# Altium PCB MiroCard.PcbDoc (part 1 of 2)
Units mm, origin at the board's own origin, x right, y up, seen from the top; angles counter-clockwise.
Board outline 65.5 x 35.8 mm, 4 copper layers (Top Layer, GND1, GND2, Bottom Layer), stack 0.552 mm thick; 115 components, 75 nets, 402 pads, 778 vias.
Unrouted connection lines stored in the file: 3.
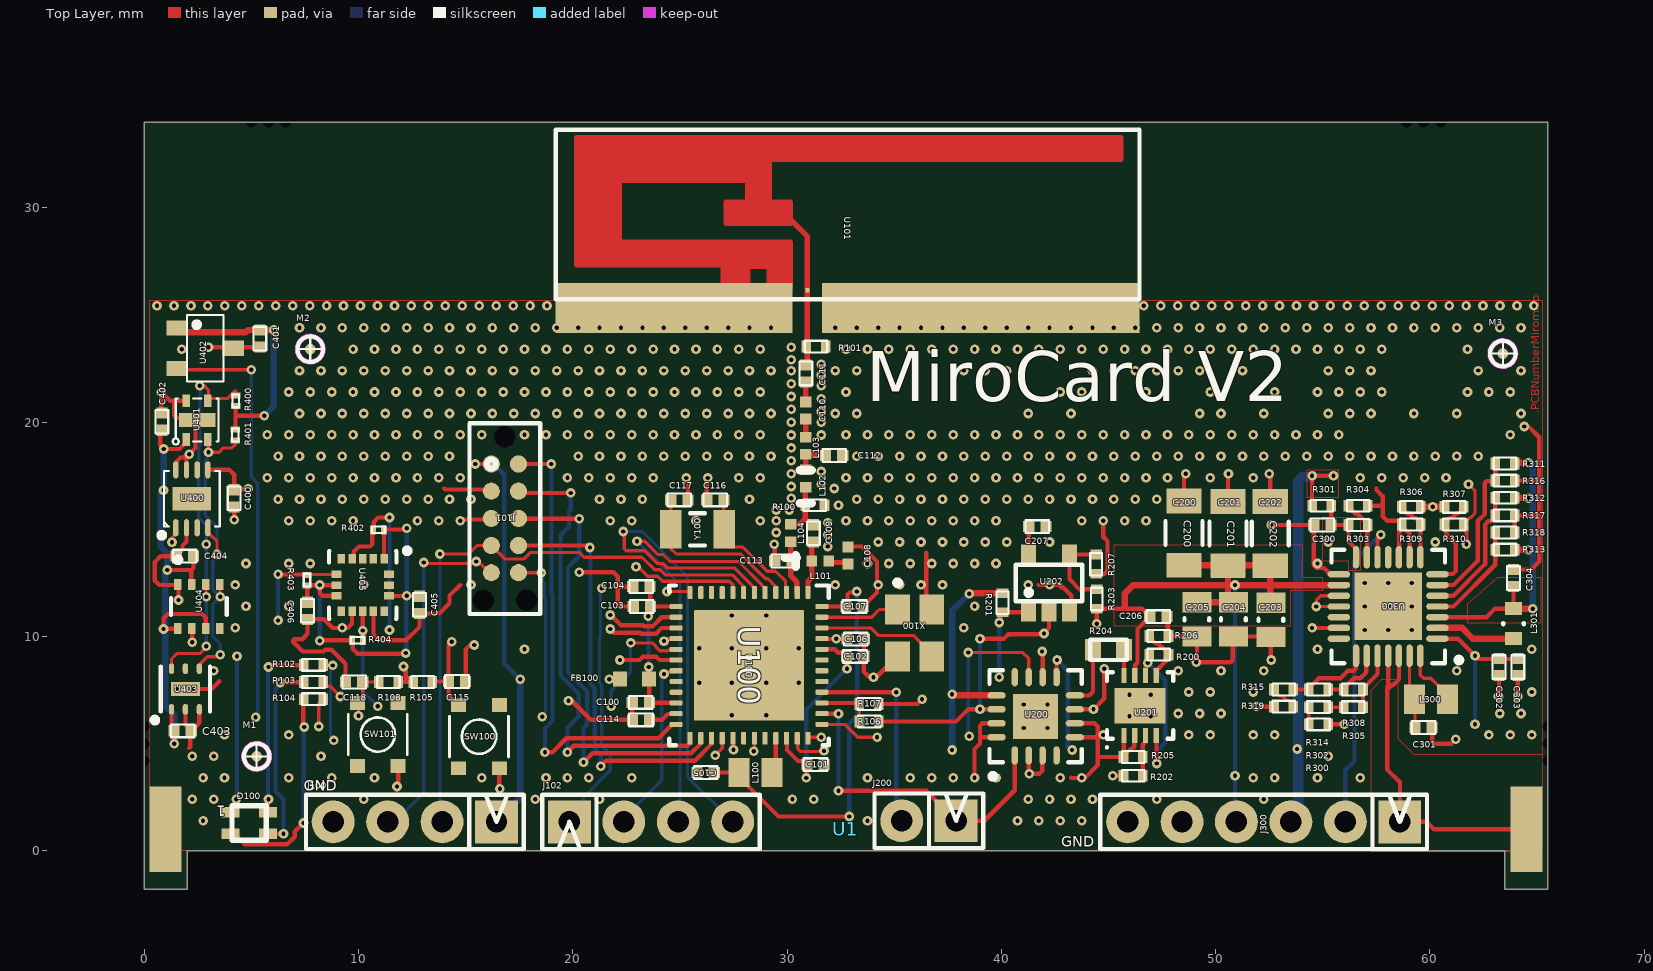
[diagram p0: Top Layer view]
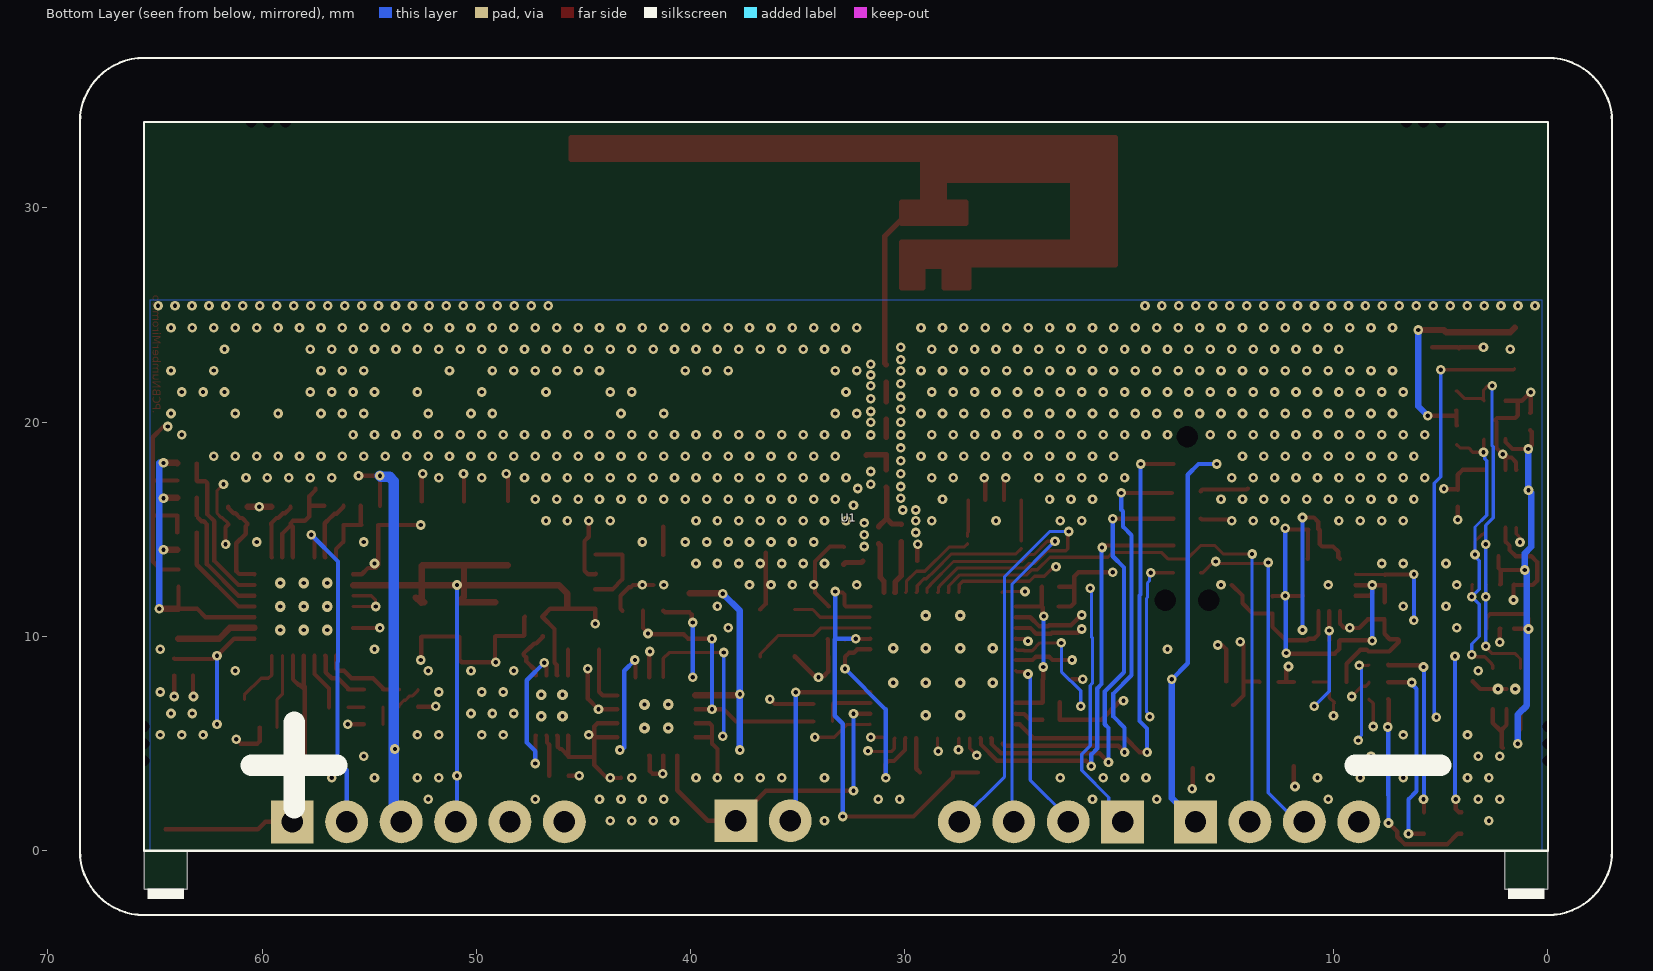
[diagram p1: Bottom Layer view, seen from below]
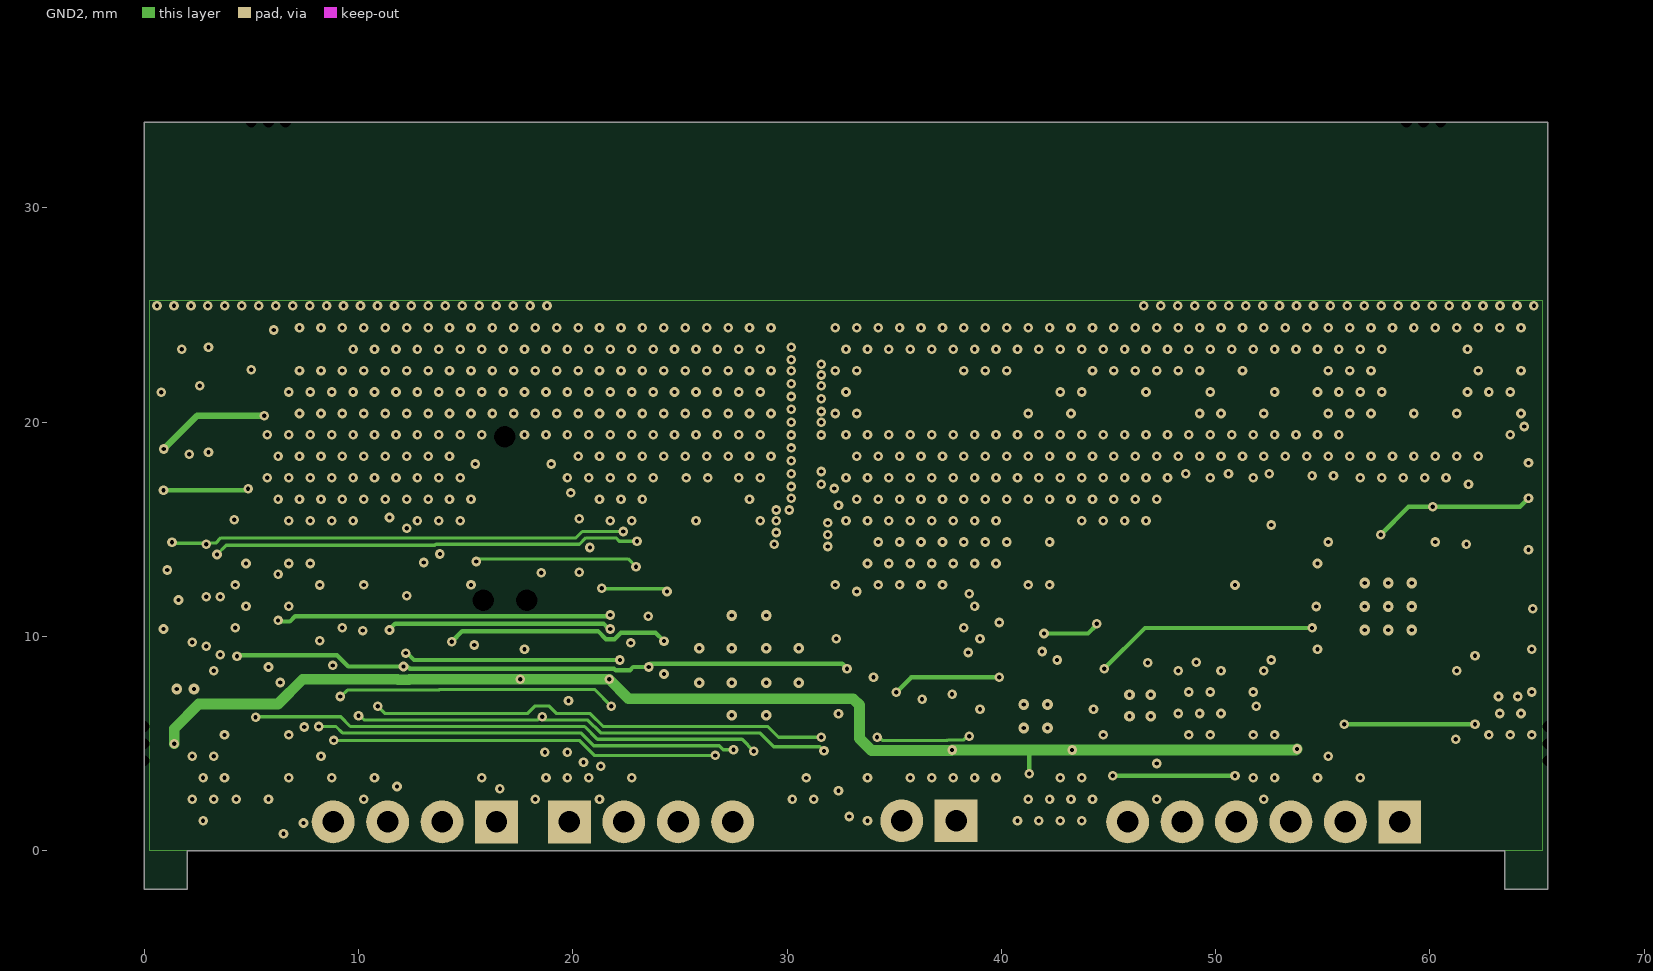
[diagram p2: GND2]

## Layer stack, top to bottom
Top Solder: solder mask 0.01, Solder Resist, Dk 3.5
Top Layer: signal copper 0.018
Dielectric 1: prepreg 0.07, 1080, Dk 4.6
Dielectric 2: prepreg 0.07, 1080, Dk 4.6
GND1: signal copper 0.018
Core: core 0.2, 1080, Dk 4.6
GND2: signal copper 0.018
Dielectric 3: prepreg 0.07, 1080, Dk 4.6
Dielectric 4: prepreg 0.07, 1080, Dk 4.6
Bottom Layer: signal copper 0.018
Bottom Solder: solder mask 0.01, Solder Resist, Dk 3.5

## Board outline
0,-1.8 0,34 65.5,34 65.5,-1.8 63.5,-1.8 63.5,0 2,0 2,-1.8

## Design rules (kind name [scope] priority, off if disabled: settings)
AssemblyTestPointUsage [All] p0: scope1count=1 scope1_0_kind=Board scope1_0_value=Board scope2count=1 scope2_0_kind=Board scope2_0_value=Board commentlength=0
AssemblyTestpoint [All] p0: scope1count=1 scope1_0_kind=Board scope1_0_value=Board scope2count=1 scope2_0_kind=Board scope2_0_value=Board commentlength=0
BoardOutlineClearance BoardOutlineClearance_Seperator [All] p0: scope1count=1 scope1_0_kind=Board scope1_0_value=Board scope2count=1 scope2_0_kind=Board scope2_0_value=Board commentlength=0 gap=0
BoardOutlineClearance [All] p0 off: scope1count=1 scope1_0_kind=Board scope1_0_value=Board scope2count=1 scope2_0_kind=Board scope2_0_value=Board commentlength=100 gap=0.2 // Protel DXP Scope 1 Expression Was: Not OnLayer('Top Overlay', 'Bottom Overlay', 'Mechanical 15')
BoardOutlineClearance BoardOutlineClearance_Seperator [All] p1: gap=0 ignorepadtopadclearanceinfootprint=FALSE
BoardOutlineClearance [Not OnLayer('Top Overlay', 'Bottom Overlay', 'Mechanical 15')] p2: gap=0.2 ignorepadtopadclearanceinfootprint=FALSE
Clearance [All] p0: scope1count=1 scope1_0_kind=Board scope1_0_value=Board scope2count=1 scope2_0_kind=Board scope2_0_value=Board commentlength=0 gap=0.15
Clearance [All] p1: gap=0.15 ignorepadtopadclearanceinfootprint=FALSE
ComponentClearance [All] p0 off: scope1count=1 scope1_0_kind=Board scope1_0_value=Board scope2count=1 scope2_0_kind=Board scope2_0_value=Board commentlength=90 gap=0.25 collisioncheckmode=3 // Protel DXP Scope 1 Expression Was: Not InComponent('U1','J100','J102', 'J200', 'J300')
ComponentClearance [Not InComponent('U1','J100','J102', 'J200', 'J300')] p1: gap=0.25 collisioncheckmode=3 verticalgap=0.25 showdistances=FALSE
DiffPairsRouting [All] p0: scope1count=1 scope1_0_kind=Board scope1_0_value=Board scope2count=1 scope2_0_kind=Board scope2_0_value=Board commentlength=0
FabricationTestPointUsage [All] p0: scope1count=1 scope1_0_kind=Board scope1_0_value=Board scope2count=1 scope2_0_kind=Board scope2_0_value=Board commentlength=0 valid=0 allowmultiple=FALSE
FabricationTestpoint [All] p0: scope1count=1 scope1_0_kind=Board scope1_0_value=Board scope2count=1 scope2_0_kind=Board scope2_0_value=Board commentlength=0 side=3 testpointundercomponent=TRUE minsize=1.016 maxsize=2.54 preferedsize=1.524 minholesize=0 maxholesize=1.016 preferedholesize=0.813 testpointgrid=0.025
FanoutControl Fanout_BGA [All] p0 off: scope1count=1 scope1_0_kind=Board scope1_0_value=Board scope2count=1 scope2_0_kind=Board scope2_0_value=Board commentlength=69 // Protel DXP Scope 1 Expression Was: IsBGA   Fanout_BGA (Default Rule)
FanoutControl Fanout_LCC [All] p0 off: scope1count=1 scope1_0_kind=Board scope1_0_value=Board scope2count=1 scope2_0_kind=Board scope2_0_value=Board commentlength=69 // Protel DXP Scope 1 Expression Was: IsLCC   Fanout_LCC (Default Rule)
FanoutControl Fanout_SOIC [All] p0 off: scope1count=1 scope1_0_kind=Board scope1_0_value=Board scope2count=1 scope2_0_kind=Board scope2_0_value=Board commentlength=71 // Protel DXP Scope 1 Expression Was: IsSOIC   Fanout_SOIC (Default Rule)
FanoutControl Fanout_Small [All] p0 off: scope1count=1 scope1_0_kind=Board scope1_0_value=Board scope2count=1 scope2_0_kind=Board scope2_0_value=Board commentlength=84 // Protel DXP Scope 1 Expression Was: (CompPinCount < 5)   Fanout_Small (Default Rule)
FanoutControl Fanout_Default [All] p0: scope1count=1 scope1_0_kind=Board scope1_0_value=Board scope2count=1 scope2_0_kind=Board scope2_0_value=Board commentlength=30 // Fanout_Default (Default Rule)
Height [All] p0: scope1count=1 scope1_0_kind=Board scope1_0_value=Board scope2count=1 scope2_0_kind=Board scope2_0_value=Board commentlength=0
HoleSize [All] p0: scope1count=1 scope1_0_kind=Board scope1_0_value=Board scope2count=1 scope2_0_kind=Board scope2_0_value=Board commentlength=0 absolutevalues=TRUE maxlimit=5 minlimit=0.025 maxpercent=80.000 minpercent=20.000
HoleSize [All] p1: absolutevalues=TRUE maxlimit=5 minlimit=0.025 maxpercent=80.000 minpercent=20.000
HoleToHoleClearance [All] p0: scope1count=1 scope1_0_kind=Board scope1_0_value=Board scope2count=1 scope2_0_kind=Board scope2_0_value=Board commentlength=0
LayerPairs [All] p0: scope1count=1 scope1_0_kind=Board scope1_0_value=Board scope2count=1 scope2_0_kind=Board scope2_0_value=Board commentlength=0 enforce=TRUE
MinimumSolderMaskSliver [All] p0: scope1count=1 scope1_0_kind=Board scope1_0_value=Board scope2count=1 scope2_0_kind=Board scope2_0_value=Board commentlength=0
MinimumSolderMaskSliver [All] p1: minsoldermaskwidth=0.09
NetAntennae [All] p0: scope1count=1 scope1_0_kind=Board scope1_0_value=Board scope2count=1 scope2_0_kind=Board scope2_0_value=Board commentlength=0
PasteMaskExpansion [All] p0: scope1count=1 scope1_0_kind=Board scope1_0_value=Board scope2count=1 scope2_0_kind=Board scope2_0_value=Board commentlength=0 expansion=0
PlaneClearance [All] p0: scope1count=1 scope1_0_kind=Board scope1_0_value=Board scope2count=1 scope2_0_kind=Board scope2_0_value=Board commentlength=0 clearance=0.25
PlaneClearance [All] p1: clearance=0.25
PlaneConnect PlaneConnect_1 [All] p0 off: scope1count=1 scope1_0_kind=Board scope1_0_value=Board scope2count=1 scope2_0_kind=Board scope2_0_value=Board commentlength=44 planeconnectstyle=Direct reliefexpansion=0.508 reliefentries=4 reliefconductorwidth=0.254 reliefairgap=0.254 // Protel DXP Scope 1 Expression Was: IsVia
PlaneConnect [All] p0: scope1count=1 scope1_0_kind=Board scope1_0_value=Board scope2count=1 scope2_0_kind=Board scope2_0_value=Board commentlength=0 planeconnectstyle=Relief reliefexpansion=0.254 reliefentries=4 reliefconductorwidth=0.254 reliefairgap=0.254
PlaneConnect PlaneConnect_1 [IsVia] p1: planeconnectstyle=Direct reliefexpansion=0.508 reliefentries=4 reliefconductorwidth=0.254 reliefairgap=0.254
PlaneConnect [All] p2: planeconnectstyle=Relief reliefexpansion=0.254 reliefentries=4 reliefconductorwidth=0.254 reliefairgap=0.254
PolygonConnect PolygonConnect_VIA [All] p0 off: scope1count=1 scope1_0_kind=Board scope1_0_value=Board scope2count=1 scope2_0_kind=Board scope2_0_value=Board commentlength=44 connectstyle=Direct reliefconductorwidth=0.254 reliefentries=4 polygonreliefangle="90 Angle" // Protel DXP Scope 1 Expression Was: IsVia
PolygonConnect [All] p0: scope1count=1 scope1_0_kind=Board scope1_0_value=Board scope2count=1 scope2_0_kind=Board scope2_0_value=Board commentlength=0 connectstyle=Relief reliefconductorwidth=0.2 reliefentries=4 polygonreliefangle="90 Angle"
PolygonConnect PolygonConnect_VIA [IsVia] p1: connectstyle=Direct reliefconductorwidth=0.254 reliefentries=4 polygonreliefangle="90 Angle" airgapwidth=0.254
PolygonConnect [All] p2: connectstyle=Relief reliefconductorwidth=0.2 reliefentries=4 polygonreliefangle="90 Angle" airgapwidth=0.2
RoutingCorners [All] p0: scope1count=1 scope1_0_kind=Board scope1_0_value=Board scope2count=1 scope2_0_kind=Board scope2_0_value=Board commentlength=0 cornerstyle=45-Degree minsetback=2.54 maxsetback=2.54
RoutingLayers [All] p0: scope1count=1 scope1_0_kind=Board scope1_0_value=Board scope2count=1 scope2_0_kind=Board scope2_0_value=Board commentlength=0 top layer=Automatic mid layer 1=Automatic mid layer 2=Automatic bottom layer=Automatic
RoutingPriority [All] p0: scope1count=1 scope1_0_kind=Board scope1_0_value=Board scope2count=1 scope2_0_kind=Board scope2_0_value=Board commentlength=0
RoutingTopology [All] p0: scope1count=1 scope1_0_kind=Board scope1_0_value=Board scope2count=1 scope2_0_kind=Board scope2_0_value=Board commentlength=0 topology=Shortest
RoutingVias [All] p0: scope1count=1 scope1_0_kind=Board scope1_0_value=Board scope2count=1 scope2_0_kind=Board scope2_0_value=Board commentlength=0 holewidth=0.2 width=0.45 viastyle="Through Hole" minholewidth=0.2 minwidth=0.45 maxholewidth=0.2 maxwidth=1
RoutingVias [All] p1: holewidth=0.2 width=0.45 viastyle="Through Hole" minholewidth=0.2 minwidth=0.45 maxholewidth=0.2 maxwidth=1
ShortCircuit [All] p0: scope1count=1 scope1_0_kind=Board scope1_0_value=Board scope2count=1 scope2_0_kind=Board scope2_0_value=Board commentlength=0 allowed=FALSE
SilkToBoardRegionClearance [All] p0: scope1count=1 scope1_0_kind=Board scope1_0_value=Board scope2count=1 scope2_0_kind=Board scope2_0_value=Board commentlength=0
SilkToSilkClearance [All] p0: scope1count=1 scope1_0_kind=Board scope1_0_value=Board scope2count=1 scope2_0_kind=Board scope2_0_value=Board commentlength=0
SilkToSilkClearance [All] p1: silktosilkclearance=0
SilkToSolderMaskClearance [All] p0: scope1count=1 scope1_0_kind=Board scope1_0_value=Board scope2count=1 scope2_0_kind=Board scope2_0_value=Board commentlength=0
SilkToSolderMaskClearance [All] p1: minsilkscreentomaskgap=0 clearancetoexposedcopper=TRUE
SolderMaskExpansion [All] p0: scope1count=1 scope1_0_kind=Board scope1_0_value=Board scope2count=1 scope2_0_kind=Board scope2_0_value=Board commentlength=0 expansion=0.051
SolderMaskExpansion [All] p1: expansion=0.051
UnRoutedNet [All] p0: scope1count=1 scope1_0_kind=Board scope1_0_value=Board scope2count=1 scope2_0_kind=Board scope2_0_value=Board commentlength=0
UnpouredPolygon [All] p0: scope1count=1 scope1_0_kind=Board scope1_0_value=Board scope2count=1 scope2_0_kind=Board scope2_0_value=Board commentlength=0
Width Width_ANT [All] p0: scope1count=1 scope1_0_kind=NetClass scope1_0_value=ANT scope2count=1 scope2_0_kind=Board scope2_0_value=Board commentlength=0 maxlimit=0.25 minlimit=0.25 preferedwidth=0.25
Width [All] p0: scope1count=1 scope1_0_kind=Board scope1_0_value=Board scope2count=1 scope2_0_kind=Board scope2_0_value=Board commentlength=0 maxlimit=1 minlimit=0.15 preferedwidth=0.15
Width Width_ANT [InNetClass('ANT')] p1: maxlimit=0.25 minlimit=0.25 preferedwidth=0.25
Width [All] p2: maxlimit=1 minlimit=0.15 preferedwidth=0.15
23 further rules are at their usual default settings.

## Classes and differential pairs
pad class Seperator: Free-0
component class "00 - Overview": M1 M2 M3 U1
component class U_AEM10941: C300 C301 C302 C303 C304 J300 L300 L301 R300 R301 R302 R303 R304 R305 R306 R307 R308 R309 R310 R311 R312 R313 R314 R315 R316 R317 R318 R319 U300
net class Ant: NetC108_1 NetC109_1 NetC109_2 NetC110_1 NetC110_2 NetC111_1 NetC112_1 NetC113_1
component class Sensors: C400 C401 C402 C403 C404 C405 C406 I2C R400 R401 R402 R403 R404 U400 U401 U402 U403 U404 U405
component class EMU: C200 C201 C202 C203 C204 C205 C206 C207 J200 R200 R201 R202 R203 R204 R205 R206 R207 U200 U201 U202
component class CC2650: C100 C101 C102 C103 C104 C105 C106 C107 C108 C109 C110 C111 C112 C113 C114 C115 C116 C117 C118 D100 FB100 J100 J101 J102 L100 L101 L102 L103 L104 "P5 JTAG" R100 R101 R102 R103 R104 R105 R106 R107 R108 SW100 SW101 U100 U101 X100 Y100

## Components (designator, comment, footprint, x,y, rotation, side; value= is the part's Value field where it differs from the comment)
C100 "GRM155R61C104KA88D" CAPC0402(1005)60_L 23.175,6.925 r180 top
C101 "GRM155R61C104KA88D" CAPC0402(1005)60_L 31.325,4.025 r0 top
C102 "GRM155R61C104KA88D" CAPC0402(1005)60_L 33.175,9.075 r0 top
C103 "GRM155R61C104KA88D" CAPC0402(1005)60_L 23.225,11.4 r180 top
C104 "GRJ155R60J106ME11D" CAPC0402(1005)60_L 23.2,12.325 r180 top
C105 "GRJ155R60J106ME11D" CAPC0402(1005)60_L 26.2,3.65 r180 top
C106 "GRM155R61C104KA88D" CAPC0402(1005)60_L 33.2,9.875 r0 top
C107 "GRM155R61C104KA88D" CAPC0402(1005)60_L 33.15,11.4 r0 top
C108 "CAP 6.8pF 10V 0402(1005)" CAPC0402(1005)60_L 32.85,13.775 r90 top
C109 "GRM1555C1H1R0BA01D" CAPC0402(1005)60_L 31.225,14.815 r270 top
C110 "CAP 12pF 10V 0402(1005)" CAPC0402(1005)60_L 30.875,20.55 r90 top
C111 "GRM1555C1H1R8BA01D" CAPC0402(1005)60_L 30.875,22.275 r270 top
C112 "GRM1555C1H1R0BA01D" CAPC0402(1005)60_L 32.2,18.45 r0 top
C113 "GRM1555C1H1R0BA01D" CAPC0402(1005)60_L 29.825,13.525 r180 top
C114 "GRM155R70J105KA12J" CAPC0402(1005)60_L 23.181,6.109 r180 top
C115 "GRM155R61C104KA88D" CAPC0402(1005)60_L 14.6,7.9 r0 top
C116 "GRM1555C1H120JA01D" CAPC0402(1005)60_L 26.65,16.375 r180 top
C117 "GRM1555C1H120JA01D" CAPC0402(1005)60_L 24.975,16.375 r0 top
C118 "GRM155R61C104KA88D" CAPC0402(1005)60_L 9.8,7.875 r180 top
C200 "CAP 100uF 10V 1206(3216)" CAPC1206(3216)145_N 48.525,14.825 r270 top
C201 "CAP 100uF 10V 1206(3216)" CAPC1206(3216)145_N 50.575,14.8 r270 top
C202 "CAP 100uF 10V 1206(3216)" CAPC1206(3216)145_N 52.55,14.8 r270 top
C203 "CAP 47uF 6.3V 0805(2012)" CAPC0805(2012)95_L 52.575,10.775 r270 top
C204 "CAP 47uF 6.3V 0805(2012)" CAPC0805(2012)95_L 50.825,10.8 r270 top
C205 "CAP 47uF 6.3V 0805(2012)" CAPC0805(2012)95_L 49.125,10.8 r270 top
C206 "GRM155R61C104KA88D" CAPC0402(1005)60_L 47.325,10.925 r0 top
C207 "GRM155R70J105KA12J" CAPC0402(1005)60_L 41.675,15.125 r0 top
C300 "GRJ155R60J106ME11D" CAPC0402(1005)60_L 54.975,15.2 r180 top
C301 "GRJ155R60J106ME11D" CAPC0402(1005)60_L 59.7,5.75 r0 top
C302 "GRJ155R60J106ME11D" CAPC0402(1005)60_L 63.225,8.575 r270 top
C303 "GRJ155R60J106ME11D" CAPC0402(1005)60_L 64.1,8.575 r270 top
C304 "GRJ155R60J106ME11D" CAPC0402(1005)60_L 63.9,12.725 r90 top
C400 "GRM155R71E104KE14J" CAPC0402(1005)60_L 4.2,16.45 r270 top
C401 "GRM155R61C104KA88D" CAPC0402(1005)60_L 5.4,23.9 r270 top
C402 "GRM155R71E104KE14J" CAPC0402(1005)60_L 0.825,20.025 r90 top
C403 "GRM155R71E104KE14J" CAPC0402(1005)60_L 1.8,5.6 r0 top
C404 "GRM155R71E104KE14J" CAPC0402(1005)60_L 1.9,13.75 r180 top
C405 "GRM155R71E104KE14J" CAPC0402(1005)60_L 12.85,11.475 r270 top
C406 "GRJ155R60J106ME11D" CAPC0402(1005)60_L 7.625,11.2 r270 top
D100 "APTF1616LSEEZGKQBKC" APTF1616LSEEZGKQBKC 4.9,1.3 r180 top
FB100 "BLM18HE152SN1D" MURA-BLM18-RF-H4-CHIP-2_V 22.881,8.009 r0 top
J100 "HDR1x4" HDR1x4 12.63,1.35 r180 top
J101 "TC2050-IDC" TC2050-IDC-NL-10 16.834,15.51 r270 top
J102 "HDR1x4" HDR1x4 23.65,1.35 r0 top
J200 "HDR1x2" HDR1x2 36.62,1.4 r180 top
J300 "HDR1x6" HDR1x6 52.24,1.35 r180 top
L100 "CKS2125100M-T" INDC0805(2012)X11_L 28.525,3.65 r180 top
L101 "LQG15HS2N4S02D" INDC1005X55X25LL05T10_A 31.55,13.525 r0 top
L102 "LQG15HS2N4S02D" INDC1005X55X25LL05T10_A 30.875,17.375 r90 top
L103 "LQG15HS2N4S02D" INDC1005X55X25LL05T10_A 30.875,18.9 r90 top
L104 "LQG15HS2N4S02D" INDC1005X55X25LL05T10_A 30.175,14.825 r90 top
L300 "CKS2125100M-T" INDC0805(2012)X11_L 60.05,7.075 r180 top
L301 "MLZ1608M100WT000" FP-MLZ1608-MFG 63.9,10.6 r90 top
M1 "Fiducial Round" "Fiducial round_small" 5.25,4.407 r0 top
M2 "Fiducial Round" "Fiducial round_small" 7.75,23.407 r0 top
M3 "Fiducial Round" "Fiducial round_small" 63.4,23.2 r0 top
R100 "CRCW04021R60FKED" RESC0402(1005)_L 31.3,16.125 r0 top
R101 "CRCW04021R60FKED" RESC0402(1005)_L 31.35,23.525 r0 top
R102 "RMCF0402FT300R" RESC0402(1005)_L 7.9,8.675 r0 top
R103 "RMCF0402FT300R" RESC0402(1005)_L 7.9,7.875 r0 top
R104 "RMCF0402FT300R" RESC0402(1005)_L 7.9,7.075 r0 top
R105 "RMCF0402FT100K" RESC0402(1005)_L 13,7.875 r0 top
R106 "RMCF0402FT1M00" RESC0402(1005)_L 33.831,6.034 r0 top
R107 "RMCF0402FT1M00" RESC0402(1005)_L 33.823,6.85 r0 top
R108 "RMCF0402FT100K" RESC0402(1005)_L 11.4,7.875 r180 top
R200 "PFR05S-153-FNH" RESC0402(1005)_L 47.35,9.15 r0 top
R201 "RMCF0402FT100K" RESC0402(1005)_L 40.05,11.575 r270 top
R202 "CRCW04023M16FKED" RESC0402(1005)_L 46.15,3.5 r0 top
R203 "RMCF0402FT100K" RESC0402(1005)_L 44.45,11.75 r90 top
R204 "RMCF0603ZT0R00" RESC0603(1608)_L 45,9.375 r0 top
R205 "RMCF0402FT1M18" RESC0402(1005)_L 46.15,4.375 r180 top
R206 "RMCF0402FT2M40" RESC0402(1005)_L 47.35,10.025 r0 top
R207 "RMCF0402FT100K" RESC0402(1005)_L 44.425,13.375 r270 top
R300 "10M" RESC0402(1005)_L 54.8,5.9 r180 top
R301 "RMCF0402ZT0R00" RESC0402(1005)_L 54.95,16.1 r0 top
R302 "10M" RESC0402(1005)_L 54.8,6.7 r0 top
R303 "CRCW04025M49FKED" RESC0402(1005)_L 56.65,15.2 r0 top
R304 "CRCW04024M42FKED" RESC0402(1005)_L 56.65,16.1 r0 top
R305 "10M" RESC0402(1005)_L 56.425,6.7 r0 top
R306 "RMCF0402ZT0R00" RESC0402(1005)_L 59.125,16.05 r180 top
R307 "RMCF0402ZT0R00" RESC0402(1005)_L 61.125,16.05 r0 top
R308 "1M6" RESC0402(1005)_L 56.425,7.525 r180 top
R309 "RMCF0402ZT0R00" RESC0402(1005)_L 59.125,15.225 r180 top
R310 "RMCF0402ZT0R00" RESC0402(1005)_L 61.125,15.225 r0 top
R311 "RMCF0402ZT0R00" RESC0402(1005)_L 63.5,18.075 r180 top
R312 "RMCF0402ZT0R00" RESC0402(1005)_L 63.5,16.475 r180 top
R313 "RMCF0402ZT0R00" RESC0402(1005)_L 63.5,14.05 r180 top
R314 "8M2" RESC0402(1005)_L 54.797,7.525 r180 top
R315 "1M" RESC0402(1005)_L 53.175,7.525 r180 top
R316 "RMCF0402ZT0R00" RESC0402(1005)_L 63.5,17.275 r0 top
R317 "RMCF0402ZT0R00" RESC0402(1005)_L 63.5,15.65 r0 top
R318 "RMCF0402ZT0R00" RESC0402(1005)_L 63.5,14.85 r0 top
R319 "10M" RESC0402(1005)_L 53.175,6.725 r180 top
R400 "AC0402FR-0710KL" RESC0201(0603)_L 4.275,21 r90 top
R401 "AC0402FR-0710KL" RESC0201(0603)_L 4.25,19.4 r270 top
R402 "AC0402FR-0710KL" RESC0201(0603)_L 10.925,14.975 r180 top
R403 "AC0402FR-0710KL" RESC0201(0603)_L 7.6,12.625 r90 top
R404 "AC0402FR-0710KL" RESC0201(0603)_L 9.95,9.825 r0 top
SW100 "KMT021NGJLHS" KMT021NGJLHS-Footprint-1 15.625,5.325 r90 top
SW101 "KMT021NGJLHS" KMT021NGJLHS-Footprint-1 10.9,5.425 r90 top
U1 "LEH3_50x30_6_10" "50x30 Flat 6 Cell - Gen 2-Footprint-1" 64.5,1 r180 bottom locked
U100 "CC2650F128RGZR" RGZ0048A_V 28.225,8.65 r270 top
U101 "Antenna Patch" "2.4GHz Inverted F Antenna" 30.95,26.15 r0 top net-tie
U200 "ADG659YCPZ-REEL7" CP-16-4_L 41.6,6.275 r90 top
U201 "LTC1540IDD#TRPBF" LT-DD8_V 46.475,6.775 r90 top
U202 "TLV840XXDH43DBVR" "SOT23-5 SOT-23-5" 42.225,12.5 r90 top
U300 "AEM10941" QFN50P500X500X85_HS-29N 58.05,11.4 r180 top
U400 "SHT31-DIS-B" "8  -  Pin DFN 2.5  x  2.5  mm x 0.9 mm" 2.225,16.425 r90 top
U401 "SHTC3" SHTC1-Footprint-1 2.475,20.1 r90 top
U402 "DRV5032FBDBZR" SOT23-3 2.85,23.45 r180 top
U403 "OPT3001DNPR" FP-DNP0006A-MFG 1.925,7.55 r90 top
U404 "BME280" FP-BME280-MFG 2.55,11.4 r90 top
U405 "LIS3DHTR" FP-LGA-16-7983231-MFG 10.2,12.4 r270 top
X100 "TSX-3225 24.0000MF15X-AC3" EPSON-TSX-3225_V 35.956,10.159 r270 top
Y100 "ABS07-120-32.768KHZ-T" ABRA-ABS07_A_V 25.825,15 r180 top

## Footprints (in the part's own frame and the unit in brackets; to place one, negate y for a bottom-side part, rotate by r counter-clockwise, add the part's x,y. Pads: shape width x height; smd on the part's side, far side on the other; paste and mask are expansions set on the pad)
"2.4GHz Inverted F Antenna" [mm] "Antenna Patch, 2 pins, 1 side"
  rect 0.2x0.2 smd paste-10 mask+0: 1(0,0)
  rect 11.06x2.355 smd paste-10 mask+0: 2(-6.215,-0.823)
  rect 14.815x2.355 smd paste-10 mask+0: 3(8.093,-0.823)
  Top Layer lines w0.25: -10.77,1.245 -0.787,1.245 ; -10.77,1.448 -0.787,1.448 ; -10.77,1.651 -0.787,1.651 ; -10.77,1.854 -0.787,1.854 ; -10.77,2.057 -0.787,2.057 ; -10.77,2.261 -0.787,2.261 ; -10.77,2.464 -8.787,2.464 ; -10.77,2.667 -8.787,2.667 ; -10.77,2.87 -8.787,2.87 ; -10.77,3.073 -8.787,3.073 ; -10.77,3.277 -8.787,3.277 ; -10.77,3.48 -8.787,3.48 ; -10.77,3.683 -8.787,3.683 ; -10.77,3.886 -8.787,3.886 ; -10.77,4.089 -8.787,4.089 ; -10.77,4.293 -8.787,4.293 ; -10.77,4.496 -8.787,4.496 ; -10.77,4.699 -8.787,4.699 ; -10.77,4.902 -8.787,4.902 ; -10.77,5.105 -8.787,5.105 ; -10.77,5.309 -1.787,5.309 ; -10.77,5.512 -1.787,5.512 ; -10.77,5.715 -1.787,5.715 ; -10.77,5.918 -1.787,5.918 ; -10.77,6.121 -1.787,6.121 ; -10.77,6.325 14.63,6.325 ; -10.77,6.528 14.63,6.528 ; -10.77,6.731 14.63,6.731 ; -10.77,6.934 14.63,6.934 ; -3.937,0.229 -2.787,0.229 ; -3.937,0.432 -2.787,0.432 ; -3.937,0.635 -2.787,0.635 ; -3.937,0.838 -2.787,0.838 ; -3.937,1.041 -2.787,1.041 ; -3.787,3.277 -0.787,3.277 ; -3.787,3.48 -0.787,3.48 ; -3.787,3.683 -0.787,3.683 ; -3.787,3.886 -0.787,3.886 ; -3.787,4.089 -0.787,4.089 ; -2.787,4.293 -1.787,4.293 ; -2.787,4.496 -1.787,4.496 ; -2.787,4.699 -1.787,4.699 ; -2.787,4.902 -1.787,4.902 ; -2.787,5.105 -1.787,5.105 ; -1.787,0.229 -0.787,0.229 ; -1.787,0.432 -0.787,0.432 ; -1.787,0.635 -0.787,0.635 ; -1.787,0.838 -0.787,0.838 ; -1.787,1.041 -0.787,1.041 ; -0.854,3.375 0,2.521 0,0 ; -0.787,2.261 -0.787,0.127 -1.787,0.127 -1.787,1.127 -2.787,1.127 -2.787,0.127 -3.937,0.127 -3.937,1.168 -10.236,1.194 -10.77,1.194 -10.77,7.137 14.63,7.137 14.63,6.127 -1.787,6.127 -1.787,4.127 -0.787,4.127 -0.787,3.127 -3.787,3.127 -3.787,4.127 -2.787,4.127 -2.787,5.127 -8.787,5.127 -8.787,2.261 -0.787,2.261
  silkscreen extent -11.75,-0.42 15.5,7.5
"8  -  Pin DFN 2.5  x  2.5  mm x 0.9 mm" [mm] "8  -  Pin DFN 2.5  x  2.5  mm x 0.9 mm"
  oval 0.8x0.25 smd: 1(-1.35,0.75) 2(-1.35,0.25) 3(-1.35,-0.25) 4(-1.35,-0.75) 5(1.35,-0.75) 6(1.35,-0.25) 7(1.35,0.25) 8(1.35,0.75)
  rect 1.1x1.8 smd: 9(0,0)
  silkscreen extent -1.82,-1.3 1.3,1.52
"50x30 Flat 6 Cell - Gen 2-Footprint-1" [mm]
  rect 1.5x4 smd far side: 1(0,0) 2(63.5,0)
  silkscreen extent -4,-4 67.5,36
ABRA-ABS07_A_V [mm] "SMD, 2-Leads, Body 3.2x1.5mm"
  rect 1x1.8 smd: 1(-1.25,0) 2(1.25,0)
  silkscreen extent -0.35,-0.75 0.35,0.75
APTF1616LSEEZGKQBKC [mm] "RGB LED 2.65V"
  rect 0.85x0.5 smd: 1(0.875,-0.5) 2(-0.875,-0.5) 3(-0.875,0.5) 4(0.875,0.5)
  silkscreen extent -0.8,-0.8 0.8,0.8
CAPC0402(1005)60_L [mm] "Chip Capacitor, Body 1.0x0.5mm, Height 0.6mm, IPC High Density"
  rect 0.52x0.52 smd: 1(-0.4,0) 2(0.4,0)
  silkscreen extent -0.55,-0.3 0.55,0.3
CAPC0805(2012)95_L [mm] "Chip Capacitor, Body 2.0x1.2mm, Height 0.95mm, IPC High Density"
  rect 0.95x1.35 smd: 1(-0.8,0) 2(0.8,0)
  silkscreen extent -0.05,-0.58 0.05,0.58
CAPC1206(3216)145_N [mm]
  rect 1.15x1.65 smd: 1(-1.5,0) 2(1.5,0)
  silkscreen extent -0.56,-0.86 0.54,0.86
CP-16-4_L [mm] "QFN, 16-Leads, Body 4x4mm, Pitch 0.65mm, Thermal Pad 2.1x2.1mm, IPC High Density"
  oval 0.85x0.3 smd: 1(-1.825,0.975) 2(-1.825,0.325) 3(-1.825,-0.325) 4(-1.825,-0.975) 9(1.825,-0.975) 10(1.825,-0.325) 11(1.825,0.325) 12(1.825,0.975)
  oval 0.3x0.85 smd: 5(-0.975,-1.825) 6(-0.325,-1.825) 7(0.325,-1.825) 8(0.975,-1.825) 13(0.975,1.825) 14(0.325,1.825) 15(-0.325,1.825) 16(-0.975,1.825)
  rect 2.1x2.1 smd: 17(0,0)
  silkscreen extent -2.92,-2.15 2.15,2.15
EPSON-TSX-3225_V [mm] "SMD, 4-Leads, Body 3.2x2.5mm"
  rect 1.4x1.15 smd: 1(-1.1,-0.8) 2(1.1,-0.8) 3(1.1,0.8) 4(-1.1,0.8)
  silkscreen extent -2.47,-0.92 -2.23,-0.67
"Fiducial round_small" [mm] "0.5mm round fiducial, 1mm free area"
  round 0.5 smd paste-1 mask+0: 0(0,0)
  Top Layer keep-out circle w0.25: c0,0 r0.6
  silkscreen extent -0.6,-0.6 0.6,0.6
FP-BME280-MFG [mm]
  rect 0.5x0.35 smd paste+0 mask+0: 1(1.025,0.975) 2(1.025,0.325) 3(1.025,-0.325) 4(1.025,-0.975) 5(-1.025,-0.975) 6(-1.025,-0.325) 7(-1.025,0.325) 8(-1.025,0.975)
  silkscreen extent -0.4,-1.3 2.3,1.3
FP-DNP0006A-MFG [mm]
  rrect100% 0.5x0.25 smd paste+0 mask+0: 1(-0.95,0.65) 2(-0.95,0) 3(-0.95,-0.65) 4(0.95,-0.65) 5(0.95,0) 6(0.95,0.65)
  rect 0.65x1.35 smd paste-1000 mask+0: 7(0,0)
  silkscreen extent -1.57,-1.15 1.05,1.55
FP-LGA-16-7983231-MFG [mm]
  rect 0.45x0.35 smd paste-1000 mask+0: 1(-1.225,1) 2(-1.225,0.5) 3(-1.225,0) 4(-1.225,-0.5) 5(-1.225,-1) 9(1.225,-1) 10(1.225,-0.5) 11(1.225,0) 12(1.225,0.5) 13(1.225,1)
  rect 0.35x0.45 smd paste-1000 mask+0: 6(-0.5,-1.225) 7(0,-1.225) 8(0.5,-1.225) 14(0.5,1.225) 15(0,1.225) 16(-0.5,1.225)
  silkscreen extent -1.72,-1.58 1.58,2.2
FP-MLZ1608-MFG [mm]
  rect 0.6x0.8 smd paste+0 mask+0: 1(-0.7,0) 2(0.7,0)
  silkscreen extent -0.03,-0.48 0.03,0.48
HDR1x2 [mm] "2 Pin Header, 2.54 mm"
  rect 2x2 hole 1: 1(-1.27,0)
  round 2 hole 1: 2(1.27,0)
  silkscreen extent -2.54,-1.27 2.54,1.27
HDR1x4 [mm] "4 Pin Header, 2.54 mm"
  rect 2x2 hole 1: 1(-3.81,0)
  round 2 hole 1: 2(-1.27,0) 3(1.27,0) 4(3.81,0)
  silkscreen extent -5.08,-1.27 5.08,1.27
HDR1x6 [mm] "6 Pin Header, 2.54 mm"
  rect 2x2 hole 1: 1(-6.35,0)
  round 2 hole 1: 2(-3.81,0) 3(-1.27,0) 4(1.27,0) 5(3.81,0) 6(6.35,0)
  silkscreen extent -7.62,-1.27 7.62,1.27
INDC0805(2012)X11_L [mm] "Chip Inductor, 2-Leads, Body 2.00x1.25mm, IPC High Density"
  rect 0.97x1.37 smd: 1(-0.77,0) 2(0.77,0)
INDC1005X55X25LL05T10_A [mm] "Chip Inductor, 2-Leads, Body 1.05x0.55mm, IPC High Density"
  rect 0.49x0.52 smd: 1(-0.405,0) 2(0.405,0)
  silkscreen extent -1.15,-0.28 -1.15,0.28
KMT021NGJLHS-Footprint-1 [mm]
  rect 0.65x0.7 smd: 1(-1.475,0.95) 2(1.475,0.95) 3(-1.475,-0.95) 4(1.475,-0.95)
  silkscreen extent -0.95,-1.38 0.95,1.38
LT-DD8_V [mm] "SON, 8-Leads, Body 3x3mm, Pitch 0.5mm, Thermal Pad 2.38x1.65mm"
  rect 0.7x0.25 smd: 1(-1.4,0.75) 2(-1.4,0.25) 3(-1.4,-0.25) 4(-1.4,-0.75) 5(1.4,-0.75) 6(1.4,-0.25) 7(1.4,0.25) 8(1.4,0.75)
  rect 1.65x2.38 smd: 9(0,0)
  silkscreen extent -2,-1.55 1.55,1.6
MURA-BLM18-RF-H4-CHIP-2_V [mm] "Chip Ferrite Bead, 2-Leads, Body 1.6x0.8mm, Height 0.95mm, Reflow"
  rect 0.65x0.7 smd: 1(-0.675,0) 2(0.675,0)
QFN50P500X500X85_HS-29N [mm] "QFN, 28-Leads, Body 5.00x5.00mm, Pitch 0.50mm, Thermal Pad 3.15x3.15mm, IPC Medium Density"
  oval 1.05x0.3 smd: 1(-2.3,1.5) 2(-2.3,1) 3(-2.3,0.5) 4(-2.3,0) 5(-2.3,-0.5) 6(-2.3,-1) 7(-2.3,-1.5) 15(2.3,-1.5) 16(2.3,-1) 17(2.3,-0.5) 18(2.3,0) 19(2.3,0.5) 20(2.3,1) 21(2.3,1.5)
  oval 0.3x1.05 smd: 8(-1.5,-2.3) 9(-1,-2.3) 10(-0.5,-2.3) 11(0,-2.3) 12(0.5,-2.3) 13(1,-2.3) 14(1.5,-2.3) 22(1.5,2.3) 23(1,2.3) 24(0.5,2.3) 25(0,2.3) 26(-0.5,2.3) 27(-1,2.3) 28(-1.5,2.3)
  rect 3.15x3.15 smd: 29(0,0)
  silkscreen extent -3.43,-2.65 2.65,2.65
RESC0201(0603)_L [mm] "Chip Resistor, Body 0.6x0.3mm, IPC High Density"
  rect 0.28x0.43 smd: 1(-0.255,0) 2(0.255,0)
  silkscreen extent -0.3,-0.15 0.3,0.15
RESC0402(1005)_L [mm] "Chip Resistor, Body 1.0x0.5mm, IPC High Density"
  rect 0.45x0.55 smd: 1(-0.45,0) 2(0.45,0)
  silkscreen extent -0.53,-0.27 0.53,0.28
RESC0603(1608)_L [mm] "Chip Resistor, Body 1.6x0.8mm, IPC High Density"
  rect 0.75x1 smd: 1(-0.725,0) 2(0.725,0)
  silkscreen extent -0.85,-0.47 0.85,0.48
RGZ0048A_V [mm] "QFN, 48-Leads, Body 7x7mm, Pitch 0.5mm, Thermal Pad 5.15X5.15mm, TI recommended"
  rrect42% 0.6x0.24 smd: 1(-3.4,2.75) 2(-3.4,2.25) 3(-3.4,1.75) 4(-3.4,1.25) 5(-3.4,0.75) 6(-3.4,0.25) 7(-3.4,-0.25) 8(-3.4,-0.75) 9(-3.4,-1.25) 10(-3.4,-1.75) 11(-3.4,-2.25) 12(-3.4,-2.75) 25(3.4,-2.75) 26(3.4,-2.25) 27(3.4,-1.75) 28(3.4,-1.25) 29(3.4,-0.75) 30(3.4,-0.25) 31(3.4,0.25) 32(3.4,0.75) 33(3.4,1.25) 34(3.4,1.75) 35(3.4,2.25) 36(3.4,2.75)
  rrect42% 0.24x0.6 smd: 13(-2.75,-3.4) 14(-2.25,-3.4) 15(-1.75,-3.4) 16(-1.25,-3.4) 17(-0.75,-3.4) 18(-0.25,-3.4) 19(0.25,-3.4) 20(0.75,-3.4) 21(1.25,-3.4) 22(1.75,-3.4) 23(2.25,-3.4) 24(2.75,-3.4) 37(2.75,3.4) 38(2.25,3.4) 39(1.75,3.4) 40(1.25,3.4) 41(0.75,3.4) 42(0.25,3.4) 43(-0.25,3.4) 44(-0.75,3.4) 45(-1.25,3.4) 46(-1.75,3.4) 47(-2.25,3.4) 48(-2.75,3.4)
  rrect2% 5.15x5.15 smd paste-2.6: 49(0,0)
  silkscreen extent -3.72,-3.72 3.72,3.72
SHTC1-Footprint-1 [mm]
  rect 0.6x0.35 smd paste+0: 1(-0.9,0.5) 2(-0.9,-0.5) 3(0.9,-0.5) 4(0.9,0.5)
  rect 0.65x1.7 smd paste+0: 4(0,0)
  silkscreen extent -1.14,-1 1,1.14
SOT23-3 [mm] "SOT23-3, SOT 23-3, SOT23, SOT-23-3"
  rect 1x0.7 smd: 1(1.3,-0.95) 2(1.3,0.95) 3(-1.3,0)
  silkscreen extent -0.85,-1.55 0.85,1.55
"SOT23-5 SOT-23-5" [mm] "SOT23-5 SOT-23-5"
  rect 1x0.7 smd: 1(-1.3,0.95) 2(-1.3,0) 3(-1.3,-0.95) 4(1.3,-0.95) 5(1.3,0.95)
  silkscreen extent -0.85,-1.55 0.85,1.55
TC2050-IDC-NL-10 [mm] "Tag Connect 2050 IDC, 10 Pins, no legs"
  round 0 hole 1 unplated: 0(-3.81,0) 0(3.81,-1.016) 0(3.81,1.016)
  round 0.8 smd paste-0.8: 1(-2.54,-0.635) 2(-1.27,-0.635) 3(0,-0.635) 4(1.265,-0.635) 5(2.535,-0.635) 6(2.535,0.635) 7(1.265,0.635) 8(0,0.635) 9(-1.27,0.635) 10(-2.54,0.635)
  silkscreen extent -4.44,-1.65 4.46,1.65

## Part data
C100 C101 C102 C103 C106 C107 C115 C118 C206 C401: library part CMP-00416-01, "0.1µF ±10% 16V Ceramic Capacitor X5R 0402 (1005 Metric)"
C104 C105 C300 C301 C302 C303 C304 C406: library part CMP-00462-01, "10µF ±20% 6.3V Ceramic Capacitor X5R 0402 (1005 Metric)"
C108: library part CMP-1034-00503-1, "CAP 6.8pF 10V ±5% 0402 (1005 Metric) Thickness 0.6mm SMD"
C109 C112 C113: library part CMP-00426-01, "1pF ±0.1pF 50V Ceramic Capacitor C0G, NP0 0402 (1005 Metric)"
C110: library part CMP-1034-00750-1, "CAP 12pF 10V ±2% 0402 (1005 Metric) Thickness 0.6mm SMD"
C111: library part CMP-00424-01, "1.8pF ±0.1pF 50V Ceramic Capacitor C0G, NP0 0402 (1005 Metric)"
C114 C207: library part CMP-00441-03, "1µF ±10% 6.3V Ceramic Capacitor X7R 0402 (1005 Metric)"
C116 C117: library part CMP-00428-01, "12pF ±5% 50V Ceramic Capacitor C0G, NP0 0402 (1005 Metric)"
C200 C201 C202: library part CMP-LMK316BBJ107ML-T, "CAP 100uF 10V ±20% 1206 (3216 Metric) Thickness 1.45mm SMD"
C203 C204 C205: library part CMP-GRM219R60J476ME44D, "CAP 47uF 6.3V ±20% 0805 (2012 Metric) Thickness 0.95mm SMD"
C400 C402 C403 C404 C405: library part CMP-00416-02, "0.1µF ±10% 25V Ceramic Capacitor X7R 0402 (1005 Metric)"
D100: library part CMP-00017-A.6, "HELI Colour; 1.6X1.6MM LOW CURRENT RGB SMD LED"
FB100: library part CMP-0686-00368-2, "Chip Ferrite Bead for GHz Band High-speed Signal Lines, 1500 Ohm, 500 mA, -55 to 125 degC, 1.6 x 0.8 x 0.95 mm SMD, Tape and Reel"
J100 J102: library part HDR1x4-01, "1x4 Pin Header, 2.54mm"
J101: library part TDC2050-IDC-03, "TDC2050-IDC, 10Pins, dual footprint (leg and no-legs)"
J200: library part HDR1x2-01, "1x2 Pin Header, 2.54mm"
J300: library part HDR1x6-01, "1x6 Pin Header, 2.54mm"
L100 L300: library part CMP-00871-1, "FIXED IND 10UH 110MA 520 MOHM"
L101 L102 L103 L104: library part CMP-2000-06579-1, "Chip Inductor, 2.4 nH, +/- 0.3 nH, 300 mA, -55 to 125 degC, 0402 (1005 Metric), RoHS, Tape and Reel"
L301: library part CMP-08253-000012-1, "FIXED IND 10UH 250MA 1.05 OHM"
M1 M2 M3: library part "Fiducial Round-10", "Fiducial (Optical Marker)"
R100 R101: library part CMP-00467-01, "1.6 Ohms ±1% 0.063W, 1/16W Chip Resistor 0402 (1005 Metric) Automotive AEC-Q200 Thick Film"
R102 R103 R104: library part CMP-00466-01, "300 Ohms ±1% 0,063W, 1/16W Chipwiderstand 0402 (1005 metrisch) AutomobilzulassungAEC-Q200 Dickschicht"
R105 R108 R201 R203 R207: library part CMP-00463-01, "100 kOhms ±1% 0,063W, 1/16W Chipwiderstand 0402 (1005 metrisch) AutomobilzulassungAEC-Q200 Dickschicht"
R106 R107: library part CMP-00464-01, "1 MOhms ±1% 0,063W, 1/16W Chipwiderstand 0402 (1005 metrisch) AutomobilzulassungAEC-Q200 Dickschicht"
R200: library part CMP-00468-01, "15 kOhms ±1% 0.063W, 1/16W Chip Resistor 0402 (1005 Metric)  Thick Film"
R202: library part CMP-00469-01, "3.16 MOhms ±1% 0.063W, 1/16W Chip Resistor 0402 (1005 Metric) Automotive AEC-Q200 Thick Film"
R204: library part CMP-00472-01, "0 Ohms Jumper 0.1W, 1/10W Chip Resistor 0603 (1608 Metric) Automotive AEC-Q200 Thick Film"
R205: library part CMP-00470-01, "1.18 MOhms ±1% 0.063W, 1/16W Chip Resistor 0402 (1005 Metric) Automotive AEC-Q200 Thick Film"
R206: library part CMP-00471-01, "2.4 MOhms ±1% 0.063W, 1/16W Chip Resistor 0402 (1005 Metric) Automotive AEC-Q200 Thick Film"
R300 R302 R305 R308 R314 R315 R319: library part R_Chip-08, "Chip Resistor"
R301 R306 R307 R309 R310 R311 R312 R313 R316 R317 R318: library part CMP-00412-07, "0 Ohms Jumper 0.063W, 1/16W Chip Resistor 0402 (1005 Metric) Automotive AEC-Q200 Thick Film"
R303: library part CMP-00501-01, "5.49 MOhms ±1% 0.063W, 1/16W Chip Resistor 0402 (1005 Metric) Automotive AEC-Q200 Thick Film"
R304: library part CMP-00502-01, "4.42 MOhms ±1% 0.063W, 1/16W Chip Resistor 0402 (1005 Metric) Automotive AEC-Q200 Thick Film"
R400 R401 R402 R403 R404: library part CMP-00411-03, "10 kOhms ±1% 0.063W, 1/16W Chip Resistor 0402 (1005 Metric) Automotive AEC-Q200, Moisture Resistant Thick Film"
SW100 SW101: library part CMP-00503-02, "Sensorschalter Ultra-LW Tact SW SMT SPNOFa 1.6N HF"
U1: library part CMP-00499-06, "Solar Cell 50x30 Flat 6 Cell"
U100: library part CMP-2000-06080-1, "CC2650 SimpleLink(TM) Multistandard Wireless MCU, 1.8 to 3.8 V, -40 to 85 degC, 48-Pin VFQFN, Green (RoHS & no Sb/Br), Tape and Reel"
U101: library part CMP-00262-1, "2.4GHz Inverted F Antenna"
U200: library part CMP-0798-00243-1, "3 V / 5 V / +/-5 V CMOS 4-Channel Analog Multiplexer, -40 to 85 degC, 16-pin QFN (CP-16-4), Reel"
U201: library part CMP-0360-00091-2, "Nanopower Comparator with Reference, 1 Channel, 2 to 11 V, -40 to +85 degC, 8-pin Plastic DFN (DD8), Tape and Reel"
U202: library part CMP-00473-01, "Low-voltage supervisor with adjustable-reset time delay and manual reset"
U300: library part CMP-00302-04, "Highly-efficient, regulated dual-output, ambient energy manager"
U400: library part CMP-00089-03, "SENSIRION         SHT31-DIS-B             Humidity Sensor, 2 %, 3.3 V, 0% to 100% Relative Humidity, TDFN, 8 Pins, 8 s"
U401: library part CMP-00193-05, "SENSOR HUMI/TEMP I2C 2% SMD"
U402: library part CMP-00218-05, "HAL SENSOR, ULTRA-LOW POWER, 1.65V TO 5.5V"
U403: library part CMP-04942-000002-1, "SENSOR OPT 550NM AMBIENT 6USON"
U404: library part CMP-191074-000001-1, "SENSOR PRESSURE HUMIDITY TEMP"
U405: library part CMP-12175-000011-1, "ACCEL 2-16G I2C/SPI 16LGA"
X100: library part CMP-2000-07333-1, "MHz Range Crystal, 24 MHz, -40 to 85 degC, 4-Pin SMD, RoHS, Tape and Reel"
Y100: library part CMP-2000-07587-1, "Tuning Fork Crystal, 32.768 KHz, +/- 20 ppm, -40 to 85 degC, 2-Pin SMD, RoHS, Tape and Reel"

## Free pads (board coordinates)
  rect 0x0 hole 0.5 unplated: 0(0,4.2) 0(0,5) 0(0,5.8) 0(5,34) 0(5.8,34) 0(6.6,34) 0(58.9,34) 0(59.7,34) 0(60.5,34) 0(65.5,4.2) 0(65.5,5) 0(65.5,5.8)

## Via types
v1: diameter 0.45, hole 0.2, Top Layer to Bottom Layer, tented both sides, 747 vias
v2: diameter 0.5, hole 0.2, Top Layer to Bottom Layer, 31 vias

## Nets (pads, with @x,y where several pads share a name; then routed paths per layer and width w, separated by ;. In a path a pad name is that pad's centre, name@x,y a point inside that pad or via, vN(x,y) a via of type N, cw(c..) or ccw(c..) an arc to the next point about the centre after c; other vN are vias at no path point)
24M_N: U100.46 X100.3 | length 5.8
  Top Layer w0.15: U100.46@31.625,10.4 33.913,10.4 34.263,10.05 35.9,10.05 36.1,9.85 36.1,9.839 36.756,9.184 X100.3@36.756,9.059
24M_P: U100.47 X100.1 | length 3.7
  Top Layer w0.15: U100.47@31.625,10.9 33.95,10.9 34.309,11.259 X100.1@35.156,11.259
32K_Q1: C116.1 U100.3 Y100.1 | length 5.8
  Top Layer w0.15: C116.1@27.05,16.375 27.05,14.875 27.075,14.85 Y100.1@27.075,14.675 ; Y100.1@27.075,14.325 27.225,14.175 27.937,14.175 29.072,13.04 29.46,13.04 29.93,12.57 29.93,12.095 U100.3@29.975,12.05
32K_Q2: C117.1 U100.4 Y100.2 | length 7.8
  Top Layer w0.15: 24.575,14.1 24.825,13.85 27.838,13.85 28.611,13.077 28.997,12.69 29.11,12.69 29.43,12.37 29.43,12.095 U100.4@29.475,12.05 ; Y100.2@24.575,14.45 C117.1@24.575,16.375
+2.5V_LDO: C400.1 C401.1 C402.1 C403.1 C404.1 FB100.1 J100.1 J101.1 J300.3 R201.1 R301.1 R400.1 R401.1 U200.2 U200.3 U200.9 U200.13 U400.5 U401.1 U402.1 U403.1 U404.2 U404.6 U404.8 | length 162.7
  Top Layer w0.2: C402.1@0.825,19.625 0.748,19.548 0.748,18.92 v1(0.918,18.75) 1.65,18.75 1.975,19.075 U401.1@1.975,19.2 ; v1(1.082,13.1) 2.2,13.1 ; U403.1@1.275,6.6 1.275,5.675 1.4,5.55 v1(1.4,5) ; U404.8@1.575,10.375 1.563,10.363 0.913,10.363 v1(0.9,10.35) 0.9,10.85 1.1,11.05 2.7,11.05 2.875,10.875 U404.6@2.875,10.375 ; U404.2@2.225,12.425 2.2,12.45 2.2,13.1 ; C404.1@2.3,13.75 2.3,13.2 2.2,13.1 ; U400.5@2.975,17.775 3.975,17.775 4.2,17.55 C400.1@4.2,16.85 4.225,16.875 4.825,16.875 v1(4.85,16.9) ; 4.25,19.85 4.263,19.863 4.263,20.2 ; 4.275,20.55 4.263,20.537 4.263,20.2 ; v1(5.6,20.3) 4.363,20.3 4.263,20.2 ; v1(15.45,18.05) J101.1@16.199,18.05 ; v1(21.7,8) 22.197,8 FB100.1@22.206,8.009 ; U200.2@41.275,4.45 41.275,3.725 41.3,3.7 v1(41.3,3.6) 41.783,3.6 41.908,3.725 41.908,4.433 U200.3@41.925,4.45 ; U200.9@42.575,8.1 42.575,8.875 v1(42.6,8.9) ; R301.1@54.5,16.1 v1(54.5,17.5) v1(55.5,17.5) v1@55.55,17.5
  Top Layer w0.3: U402.1@1.55,24.4 1.75,24.2 4.75,24.2 4.85,24.3 C401.1@5.4,24.3 v1(6.05,24.3) ; v1(37.7,7.3) 37.741,7.3 37.791,7.25 U200.13@39.775,7.25 ; v1(38.5,12) 38.512,12.012 40.038,12.012 R201.1@40.05,12.025
  GND2 w0.2: v1(0.9,16.825) 4.775,16.825 v1(4.85,16.9) ; v1(41.3,3.6) 41.3,4.7
  GND2 w0.3: v1(0.918,18.75) 2.468,20.3 v1(5.6,20.3)
  GND2 w0.5: v1(1.4,5) 1.4,5.7 2.55,6.85 6.25,6.85 7.4,8 11.816,8 11.841,7.975 12.359,7.975 12.384,8 v1(17.55,8) v1(21.7,8) 22.6,7.1 33.081,7.1 33.381,6.8 33.381,5.235 33.941,4.675 34.5,4.675 37.675,4.675 v1(37.7,4.7) 41.3,4.7 v1(43.3,4.7) 53.75,4.7 v1(53.8,4.75)
  Bottom Layer w0.2: v1(15.45,18.05) 16.3,18.05 16.8,17.55 16.8,8.75 v1(17.55,8) ; v1(42.6,8.9) 43.1,8.4 43.1,4.817 43.217,4.7 v1(43.3,4.7)
  Bottom Layer w0.3: v1(0.918,18.75) 0.909,18.741 0.909,16.834 0.775,16.7 0.775,14.183 1.082,13.875 v1(1.082,13.1) 0.975,12.993 0.975,10.35 0.975,6.783 1.4,6.358 v1(1.4,5) ; v1(5.6,20.3) 6.05,20.75 v1(6.05,24.3) ; J100.1@16.44,1.35 17.55,2.46 v1(17.55,8) ; v1(37.7,4.7) v1(37.7,7.3) 37.7,11.2 v1(38.5,12)
  Bottom Layer w0.5: J300.3@53.51,1.35 53.85,1.69 53.85,17.25 54.052,17.452 54.452,17.452 v1(54.5,17.5)
BOOST: C302.1 C303.1 R300.1 U300.1 | length 14.2
  Top Layer w0.2: R300.1@55.25,5.9 v1(56,5.9) ; U300.1@60.35,9.9 61.3,9.9 v1(62.1,9.1) 62.25,8.95 63.225,8.95 64.075,8.95 C303.1@64.1,8.975
  GND2 w0.2: v1(56,5.9) v1(62.1,5.9)
  Bottom Layer w0.2: v1(62.1,5.9) v1(62.1,9.1)
BUTTON: C115.1 R105.2 SW100.2 U100.16 | length 15.2
  Top Layer w0.2: R105.2@13.45,7.875 13.475,7.9 C115.1@14.2,7.9 ; v1(14.35,9.753) 14.317,9.753 14.2,9.636 C115.1@14.2,7.9 ; SW100.2@14.675,6.8 14.65,6.8 14.2,7.25 C115.1@14.2,7.9 ; v1(24.254,9.785) 24.322,9.785 24.417,9.88 24.805,9.88 U100.16@24.825,9.9
  GND2 w0.2: v1(14.35,9.753) 14.847,10.25 21.178,10.25 21.553,9.875 21.947,9.875 22.247,10.175 23.864,10.175 v1(24.254,9.785)
COMP0: J200.1 U100.38 U200.1 | length 15.4
  Top Layer w0.2: U100.38@31.625,6.4 v1(32.4,6.4) ; v1(32.4,2.8) 36.49,2.8 J200.1@37.89,1.4 39.2,1.4 40.625,2.825 U200.1@40.625,4.45
  Bottom Layer w0.2: v1(32.4,2.8) v1(32.4,6.4)